# Altium PCB mb1260.PcbDoc (part 5 of 7)
Units mil, origin at the board's own origin, x right, y up, seen from the top; angles counter-clockwise.
Board outline 3189.01 x 3818.89 mil, 6 copper layers (TOP, L2_GND, L3_VCC, L4_SIG, L5_GND, BOTTOM), stack 62.2 mil thick; 308 components, 287 nets, 1220 pads, 851 vias.
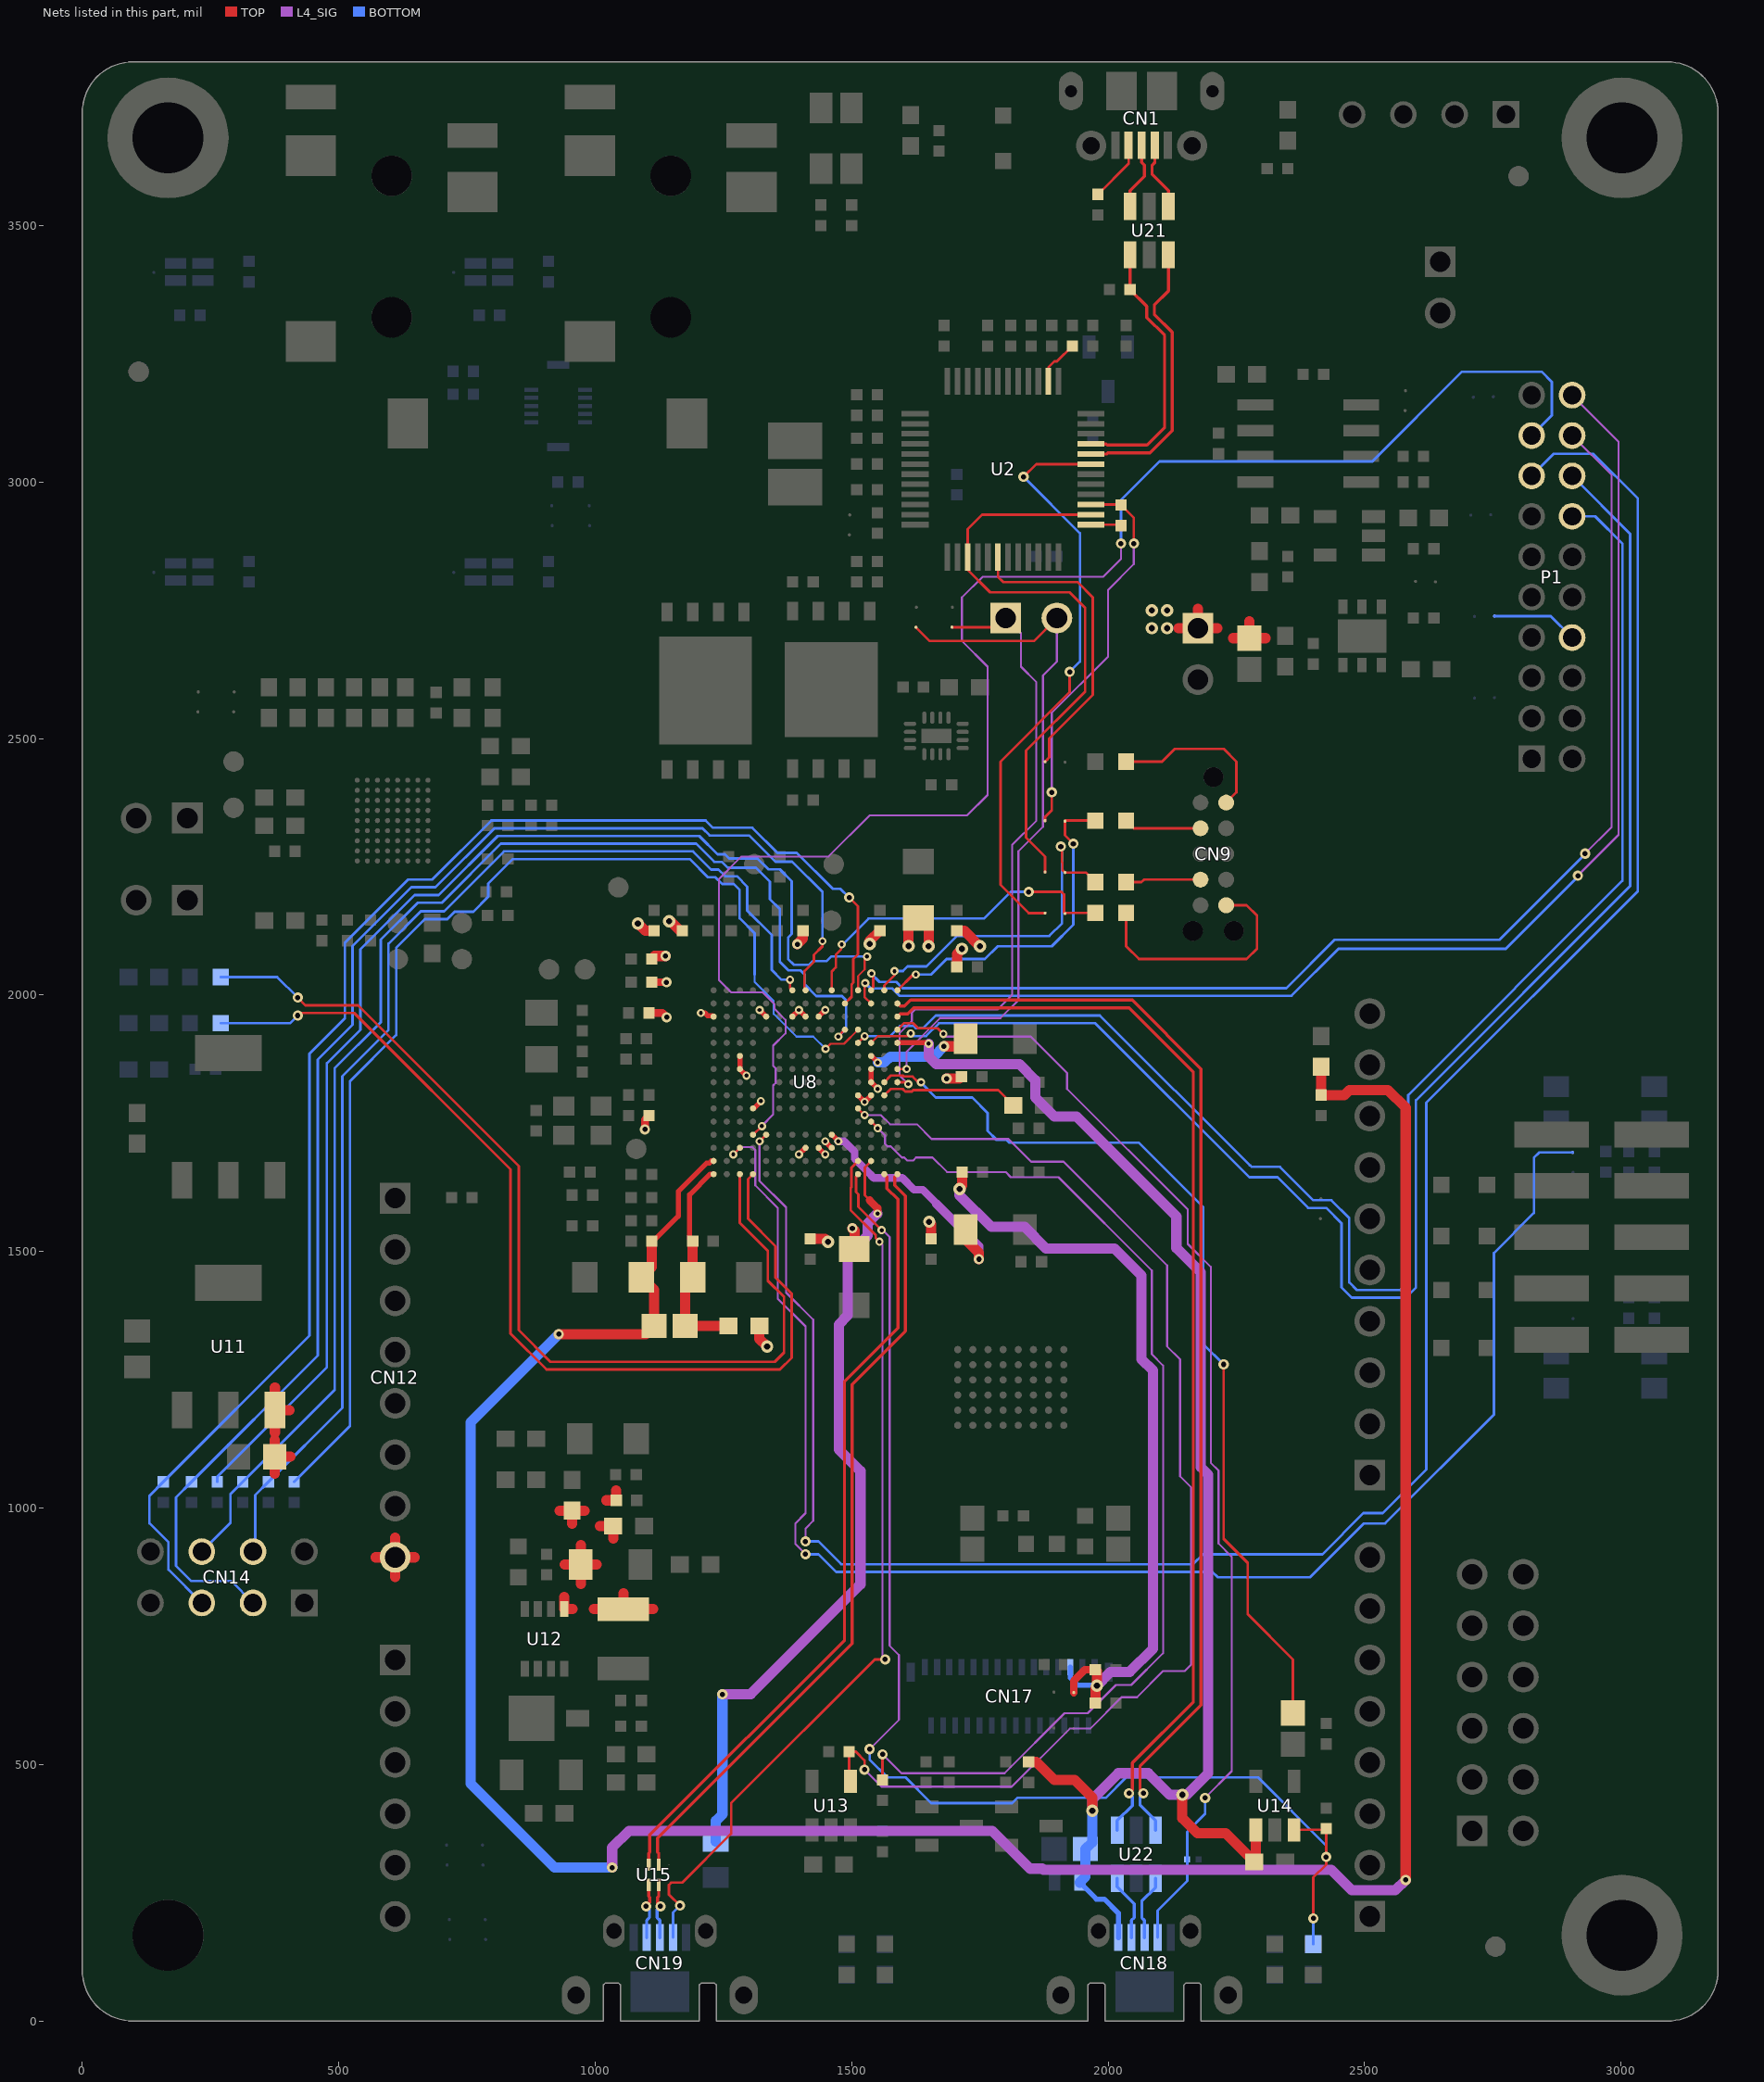
[diagram p9: the nets of this part, all layers, seen from the top]

## Via types
v1: diameter 24, hole 12, TOP to BOTTOM, tented both sides, 389 vias
v2: diameter 20, hole 10, TOP to BOTTOM, tented both sides, 231 vias
v3: diameter 16, hole 8, TOP to BOTTOM, tented both sides, 196 vias
v4: diameter 12, hole 6, TOP to BOTTOM, tented both sides, 35 vias

## Nets (pads, with @x,y where several pads share a name; then routed paths per layer and width w, separated by ;. In a path a pad name is that pad's centre, name@x,y a point inside that pad or via, vN(x,y) a via of type N, cw(c..) or ccw(c..) an arc to the next point about the centre after c; other vN are vias at no path point) (continued)
STMOD+_SPI2_MISOS: P1.9 U8.M4 | length 3145.4
  TOP w5: U8.M4@1307.64,1727.64 1308.14,1727.64 1325,1744.5 v3(1325.1,1744.5)
  L4_SIG w4: v3(1325.1,1744.5) 1325.1,1745.1 1347,1767 1347,1823.71 1352,1828.71 1352,1856.88 1347,1861.88 1347,1901.32 1371,1925.32 1371,1951.69 1349.68,1973.01 1349.68,1981.99 1326.68,2005 1265,2005 1241,2029 1241,2226 1285,2270 1455,2270 1535,2350 1725,2350 1765,2390 1765,2640 1715,2690 1715,2775 1755,2815 1990,2815 2025,2850 v2(2025,2880)
  BOTTOM w5: v2(2025,2880) 2025,2965 2100,3040 2515,3040 2690,3215 2845,3215 2865,3195 2865,3129.92 P1.9@2825.63,3090.55
STMOD+_SPI2_MOSIS: P1.8 U8.M5 | length 4476.8
  TOP w5: v3(1320.37,1714.91) 1320.5,1714.91 U8.M5@1333.23,1727.64
  L4_SIG w4: v3(1320.37,1714.91) 1320.37,1637.61 1372,1585.98 1372,1420 1425,1367 1425,975 1410,960 v2(1410,935)
  BOTTOM w5: v2(1410,935) 1435,935 1479.5,890.5 2165.5,890.5 2185,910 2417.56,910 2497.56,990 2535,990 2620,1075 2620,1790 3032.5,2202.5 3032.5,2967.5 2945,3055 2868.82,3055 P1.8@2825.63,3011.81
STMOD+_TIM2_CH1: P1.19 U8.A13 | length 2418.8
  TOP w5: U8.A13@1537.95,2009.13 1537.95,2010.08 1542.04,2014.17 1542.04,2037.96 1538.09,2041.91 v3(1538.52,2041.91)
  L4_SIG w4: P1.19@2904.37,3090.55 2981.57,3013.35 2981.57,2327.53 v2(2929.65,2275.61)
  BOTTOM w5: v3(1538.52,2041.91) 1537.63,2041.91 1554.06,2025.48 1586.81,2025.48 1598.79,2013.5 2347.51,2013.5 2441.68,2107.67 2762.67,2107.67 2929.65,2274.65 v2(2929.65,2275.61)
STMOD+_TIM3_CH3: P1.14 SB29.1 | length 168.7
  BOTTOM w5: SB29.1@2753.01,2738.67 2862.55,2738.67 P1.14@2904.37,2696.85
STMOD+_UART4_RXD: P1.18 U8.E13 | length 3186.7
  TOP w4: U8.E13@1537.95,1906.77 1550.86,1919.68 1609.68,1919.68 v3(1615,1925)
  BOTTOM w5: v3(1615,1925) 1620,1920 1645,1920 1670,1945 1975,1945 2275,1645 2330,1645 2390,1585 2425,1585 2455,1555 2455,1430 2475,1410 2580,1410 2600,1430 2600,1795 3017.5,2212.5 3017.5,2898.68 P1.18@2904.37,3011.81
STMOD+_UART4_RXD_S: P1.20 U8.B13 | length 2550.4
  TOP w5: v3(1526.47,2023.28) 1525,2021.81 1525,1996.49 U8.B13@1537.95,1983.54
  L4_SIG w4: P1.20@2904.37,3169.29 2995.03,3078.63 2995.03,2312.13 v2(2915.53,2232.63)
  BOTTOM w5: v3(1526.47,2023.28) 1536.92,2012.83 1578.63,2012.83 1592.96,1998.5 2357.5,1998.5 2449,2090 2775,2090 2915.53,2230.53 v2(2915.53,2232.63)
STMOD+_UART4_TXD: P1.17 U8.E12 | length 3132.5
  TOP w5: U8.E12@1512.36,1906.77 v3(1525.22,1919.63)
  BOTTOM w5: v3(1525.22,1919.63) 1574.63,1919.63 1594.5,1939.5 1621.01,1939.5 1625.51,1935 1638.78,1935 1663.78,1960 1983.78,1960 2275.78,1668 2277,1668 2280,1665 2335,1665 2400,1600 2435,1600 2470,1565 2470,1440 2485,1425 2570,1425 2585,1440 2585,1805 3002.5,2222.5 3002.5,2879.94 2949.37,2933.07 P1.17@2904.37,2933.07
SYS_B_USER: SB33.1 U8.N3 | length 3018.9
  TOP w5: v3(1269.19,1689.19) U8.N3@1282.05,1702.05
  L4_SIG w4: v3(1269.19,1689.19) 1283.32,1703.32 1306.5,1703.32 1312,1697.82 1312,1629 1356,1585 1356,1408 1410,1354 1410,990 1390,970 1390,930 v2(1410,910)
  BOTTOM w5: v2(1410,910) 1435,910 1469.5,875.5 2203.04,875.5 2213.54,865 2393.78,865 2498.78,970 2540,970 2752,1182 2752,1497 2830,1575 2830,1683.01 2840,1693.01 SB33.1@2905.33,1693.01
SYS_LD_USER1: R47.1 U8.R3 | length 1987
  TOP w5: v2(420,1995) 435,1980 537.63,1980 851,1666.63 851,1346.63 912.63,1285 1350,1285 1368,1303 1368,1411.56 1336.5,1443.06 1336.5,1501.5 1282.05,1555.95 U8.R3@1282.05,1650.87
  BOTTOM w5: R47.1@270,2035 380,2035 v2(420,1995)
SYS_LD_USER2: R48.1 U8.R4 | length 2003.2
  TOP w5: v2(420,1960) 425,1965 530,1965 835,1660 835,1340 905,1270 1360,1270 1383,1293 1383,1417.78 1351.5,1449.28 1351.5,1510.5 1298,1564 1298,1641.23 U8.R4@1307.64,1650.87
  BOTTOM w5: R48.1@270,1945 405,1945 v2(420,1960)
SYS_STLINK_JTCK: R38.2 SB12.2 U8.A14 | length 682.4
  TOP w5: U8.A14@1563.54,2009.13 1563.54,2018.54 1583.39,2038.39 v3(1583.39,2046.61) ; v2(1907.62,2289.45) 1910,2287.07 1910,2258.91 1910.69,2258.22 1910.69,2243.95 SB12.2@1915.83,2238.81 1956.19,2238.81 R38.2@1975,2220
  BOTTOM w5: v3(1583.39,2046.61) 1600,2046.61 1608.89,2055.5 1645.5,2055.5 1705,2115 1885,2115 1910,2140 1910,2287.07 v2(1907.62,2289.45)
SYS_STLINK_JTDO-SWO: R40.2 SB13.2 U8.A10 | length 673
  TOP w5: U8.A10@1461.18,2009.13 1461.18,2046.18 1469,2054 1469,2078.52 1479,2088.52 1479,2097.06 v3(1480.47,2098.53) ; v2(1845,2201) 1909,2201 1914,2196 1914,2160.64 SB13.2@1915.83,2158.81 1917.02,2160 R40.2@1975,2160
  BOTTOM w5: v3(1480.47,2098.53) 1482.53,2098.53 1533,2149 1758,2149 1810,2201 v2(1845,2201)
SYS_STLINK_JTMS: R32.2 SB11.2 U8.A15 | length 664
  TOP w5: U8.A15@1589.13,2009.13 1620,2040 v3(1625,2040) ; v2(1932,2295) 1915.83,2311.17 SB11.2@1915.83,2338.81 1917.02,2340 R32.2@1975,2340
  BOTTOM w5: v3(1625,2040) 1655,2040 1684.96,2069.96 1759.46,2069.96 1784.5,2095 1890,2095 1932,2137 v2(1932,2295)
T_JTCK: SB12.1 U2.15 U2.26 | length 1168.9
  TOP w5: SB12.1@1876.99,2239.67 1876.99,2270 1840,2306.99 1840,2476.22 1955,2591.22 1955,2755 1925,2785 1770,2785 1726.1,2828.9 U2.15@1726.1,2853.74 1726.1,2908.1 1754.42,2936.42 U2.26@1966.26,2936.42
T_JTMS: R23.1 SB11.1 U2.27 | length 756.5
  TOP w5: SB11.1@1876.99,2339.67 1876.99,2346.99 1890,2360 v2(1890,2395) ; U2.27@1966.26,2956.1 2023.9,2956.1 R23.1@2025,2955 2050,2930 v2(2050,2880)
  L4_SIG w4: v2(1890,2395) 1890,2550 2000,2660 2000,2790 2050,2840 v2(2050,2880)
T_NRST: SB10.1 U2.18 | length 599
  TOP w5: U2.18@1785.16,2853.74 1785.16,2815 1795.16,2805 1940,2805 1970,2775 1970,2585 1885,2500 1885,2463.07 1882.1,2460.17 1882.1,2459.78 SB10.1@1876.99,2454.67
T_SWDIO_IN: R23.2 U2.25 | length 59.5
  TOP w5: U2.25@1966.26,2916.73 2023.27,2916.73 R23.2@2025,2915
T_SWO: SB13.1 U2.31 | length 1156.4
  TOP w5: v2(1835,3010) 1859.84,3034.84 U2.31@1966.26,3034.84 ; SB13.1@1876.99,2159.67 1845,2159.67 1790,2214.67 1790,2455 1925,2590 v2(1925,2630)
  BOTTOM w5: v2(1835,3010) 1945,2900 1945,2650 v2(1925,2630)
TAG_NRST: CN9.10 R28.1 | length 323.8
  TOP w5: R28.1@2035,2455 2105,2455 2129.79,2479.79 2225.21,2479.79 2250,2455 2250,2395 CN9.10@2230,2375
TAG_SWCLK: CN9.4 R38.1 | length 147.1
  TOP w5: R38.1@2035,2220 2065,2220 2070,2225 CN9.4@2180,2225
TAG_SWDIO: CN9.2 R32.1 | length 151.2
  TOP w5: R32.1@2035,2340 2050,2325 CN9.2@2180,2325
TAG_SWO: CN9.6 R40.1 | length 471.9
  TOP w5: R40.1@2035,2160 2035,2095 2060,2070 2270,2070 2290,2090 2290,2155 2270,2175 CN9.6@2230,2175
USB_OTGFS_CN_N: CN18.2 U22.6 | length 130.8
  BOTTOM w6.1: U22.6@2017.6,277.76 2017.6,261.4 2050.57,228.43 2050.57,201.67 2045.28,196.38 CN18.2@2045.28,162.8
USB_OTGFS_CN_P: CN18.3 U22.4 | length 128.3
  BOTTOM w6.1: CN18.3@2070.87,162.8 2070.87,196.37 2065.57,201.67 2065.57,233.57 2092.4,260.4 U22.4@2092.4,277.76
USB_OTGFS_ID: CN18.4 U8.D15 U23.1 | length 2254.3
  TOP w5: U8.D15@1589.13,1932.36 1601.77,1945 1620,1945 1630,1935 1667.79,1935 v3(1678.63,1924.16)
  L4_SIG w4: v3(1678.63,1924.16) 1683.79,1919 1849,1919 1920,1848 1920,1817 2155,1582 2155,1515 2200,1470 2200,1088.29 2215,1073.29 2215,931 2241,905 2241,487 v2(2189,435)
  BOTTOM w5: CN18.4@2096.46,162.8 2096.46,215.44 2153.98,272.96 U23.1@2153.98,315 2153.98,368.98 2189,404 v2(2189,435)
USB_OTGFS_N: U8.C15 U22.1 | length 2180.2
  TOP w6.1: U8.C15@1589.13,1957.95 1594.42,1963.24 1609.46,1963.24 1621.22,1975 2040.78,1975 2166,1849.78 2166,622.22 2047.14,503.36 2047.14,450.36 v2(2040.64,443.86)
  BOTTOM w6.1: U22.1@2017.6,372.24 2017.6,390.6 2047.14,420.14 2047.14,437.36 v2(2040.64,443.86)
USB_OTGFS_OVCR: LD10.2 R79.1 U8.R12 U14.3 | length 2524.1
  TOP w5: U8.R12@1512.36,1650.87 1508.27,1646.78 1508.27,1615.95 1513,1611.22 1513,1587.29 v3(1558.47,1541.82) ; U14.3@2362.4,372.76 2422.76,372.76 R79.1@2425,375 v2(2425,320) 2425,305 2400,280 v2(2400,200)
  L4_SIG w4: v2(1535,530) 1592.11,587.11 1592.11,713.54 1574,731.65 1574,1528.44 1560.62,1541.82 v3(1558.47,1541.82)
  BOTTOM w5: v2(1535,530) 1535,510 1570,475 1605,475 1655,425 1813,425 1823,435 1995,435 2035,475 2292,475 2425,342 v2(2425,320) ; LD10.2@2400,150 v2(2400,200)
USB_OTGFS_P: U8.B15 U22.3 | length 2205.4
  TOP w6.1: U8.B15@1589.13,1983.54 1594.43,1978.24 1603.24,1978.24 1615,1990 2047,1990 2181,1856 2181,616 2062.14,497.14 2062.14,450.36 v2(2068.64,443.86)
  BOTTOM w6.1: v2(2068.64,443.86) 2062.14,437.36 2062.14,420.86 2092.4,390.6 U22.3@2092.4,372.24
USB_OTGFS_PPWR_EN: R72.1 U8.H14 | length 1812.9
  TOP w5: U8.H14@1563.54,1830 1576.54,1843 1599.21,1843 1601.12,1841.09 1618.91,1841.09 1630,1830 v3(1635,1830) ; v2(2225,1280) 2225,940 2272,893 2272,793 2360,705 R72.1@2360,600.51
  BOTTOM w5: v3(1635,1830) 1640,1825 1640,1824.02 1664.02,1800 1735,1800 1765,1770 1765,1735 1782.49,1717.5 1802.25,1717.5 1807.75,1712 2060,1712 2185,1587 2185,1320 v2(2225,1280)
USB_OTGFS_VBUS: C77.1 CN18.1 R77.2 R99.1 U8.E15 U14.1 U24.1 | length 2894.4
  TOP w10: U8.E15@1589.13,1906.77 1648.23,1906.77 v3(1650,1905)
  TOP w20: R77.2@1845,505 1860,505 1895,470 1935,470 1969,436 v1(1969,410) ; v1(2144.5,441) 2144.5,395.5 2174,366 2229,366 C77.1@2285,310 2287.6,312.6 U14.1@2287.6,372.76
  L4_SIG w20: v3(1650,1905) 1650,1880 1665,1865 1827,1865 1858,1834 1858,1800.41 1895.41,1763 1938,1763 2132.99,1568.01 2132.99,1507.01 2180,1460 2180,1080 2195,1065 2195,483 2153,441 v1(2144.5,441) 2120,441 2078,483 2020,483 1969,432 v1(1969,410)
  BOTTOM w10: U24.1@1944.61,270 1977.11,237.5 1992.5,237.5 2019.69,210.31 CN18.1@2019.69,162.8
  BOTTOM w20: U24.1@1944.61,270 1955.51,280.9 R99.1@1955.51,335 1969,348.49 v1(1969,410)
USB_OTGHS_CN_N: CN19.2 U15.2 | length 111.4
  TOP w6.1: v2(1099.18,223.76) 1106.5,231.08 1106.5,240.94 1104.16,243.28 U15.2@1104.16,265.31
  BOTTOM w6.1: v2(1099.18,223.76) 1105.68,217.26 1105.68,201.67 1100.39,196.38 CN19.2@1100.39,162.8
USB_OTGHS_CN_P: CN19.3 U15.3 | length 110.7
  TOP w6.1: U15.3@1123.84,265.31 1123.84,243.28 1121.5,240.94 1121.5,229.44 v2(1127.18,223.76)
  BOTTOM w6.1: CN19.3@1125.98,162.8 1125.98,196.37 1120.68,201.67 1120.68,217.26 v2(1127.18,223.76)
USB_OTGHS_ID: CN19.4 U8.P12 U15.4 | length 1760.9
  TOP w5: v2(1165,225) 1143.53,246.47 U15.4@1143.53,265.31 1148.22,270 1170,270 1265,365 1265,425 1545,705 v2(1565,705) ; U8.P12@1512.36,1676.46 1499.27,1663.37 1499.27,1625 1498,1623.73 1498,1580.4 1546.79,1531.61 1546.79,1526.21 v3(1554,1519)
  L4_SIG w4: v3(1554,1519) 1560,1513 1560,710 v2(1565,705)
  BOTTOM w5: CN19.4@1151.57,162.8 1151.57,211.57 v2(1165,225)
USB_OTGHS_N: U8.R14 U15.7 | length 1558.4
  TOP w6.1: U15.7@1104.16,304.69 1104.16,326.72 1106.5,329.06 1106.5,362.72 1486,742.22 1486,1247.22 1590,1351.22 1590,1601.78 1568.83,1622.95 1568.83,1645.58 U8.R14@1563.54,1650.87
USB_OTGHS_OVCR: R78.2 U8.L13 | length 2145.9
  TOP w5: U8.L13@1537.95,1753.23 v3(1550.81,1740.37) ; R78.2@1560,470 v2(1560,520)
  L4_SIG w4: v3(1550.81,1740.37) 1565,1726.18 1565,1710 1570,1705 1576.33,1705 1598.07,1683.26 1602.44,1683.26 1608.2,1677.5 1619.8,1677.5 1625.56,1683.26 1657.59,1683.26 1685.85,1655 1800,1655 1810,1645 1903.02,1645 2085,1463.02 2085,1300 2107,1278 2107,733.58 ; v2(1560,520) 1597,483 1798,483 1915,600 1960,600 2015,655 2045,655 2107.01,717.01 2107.01,733.57
USB_OTGHS_P: U8.R15 U15.6 | length 1558.4
  TOP w6.1: U15.6@1123.84,304.69 1123.84,326.72 1121.5,329.06 1121.5,356.5 1501,736 1501,1241 1605,1345 1605,1608 1583.83,1629.17 1583.83,1645.57 U8.R15@1589.13,1650.87
USB_OTGHS_PPWR_EN: R16.2 U8.K12 U13.4 | length 2389.8
  TOP w5: U13.4@1497.4,467.24 1495,469.64 R16.2@1495,525 1508,525 1525,508 v2(1525,490) ; U8.K12@1512.36,1778.82 v3(1525.22,1765.96)
  L4_SIG w4: v2(1525,490) 1558,457 1812,457 1925,570 1965,570 2026,631 2056,631 2107,682 2149,682 2162,695 2162,1040 2140,1062 2140,1290 2115,1315 2115,1473 1913,1675 1850,1675 1805.5,1719.5 1655.5,1719.5 1627,1748 1575,1748 1557.04,1765.96 v3(1525.22,1765.96)
USB_OTGHS_VBUS: R98.1 U8.P13 | length 1539.6
  TOP w5: 1535,1600 1525.45,1609.55 1525.45,1663.96 U8.P13@1537.95,1676.46
  TOP w15: 1535,1600 1550.32,1584.68 v3(1550.32,1574)
  L4_SIG w20: v2(1248,637) 1303,637 1517,851 1517,1072 1475,1114 1475,1358 1492.49,1375.49 1492.49,1492.49 1531,1531 1531,1554.68 v3(1550.32,1574)
  BOTTOM w20: R98.1@1235,350 1235,390 1248,403 v2(1248,637)
USB_RENUMN: R7.2 U2.38 | length 90.9
  TOP w5: U2.38@1883.58,3196.26 1883.58,3223.58 1895,3235 1900,3235 R7.2@1930,3265
USB_STLK_CN_N: CN1.2 U21.1 | length 134.6
  TOP w6.1: CN1.2@2090.94,3656.49 2090.94,3622.92 2085.64,3617.62 2085.64,3599.36 2117.4,3567.6 U21.1@2117.4,3537.24
USB_STLK_CN_P: CN1.3 U21.3 | length 133.1
  TOP w6.1: U21.3@2042.6,3537.24 2042.6,3567.6 2070.64,3595.64 2070.64,3617.62 2065.35,3622.91 CN1.3@2065.35,3656.49
USB_STLK_ID: CN1.4 R9.2 | length 120.7
  TOP w5: R9.2@1980,3560.59 2039.76,3620.35 CN1.4@2039.76,3656.49
USB_STLK_N: U2.32 U21.6 | length 546.2
  TOP w6.1: U2.32@1966.26,3054.53 1996.66,3054.53 1999,3056.87 2081.87,3056.87 2125,3100 2125,3292 2090,3327 2090,3345 2117.4,3372.4 U21.6@2117.4,3442.76
USB_STLK_P: R10.2 U2.33 U21.4 | length 523.4
  TOP w6.1: U2.33@1966.26,3074.21 1995.66,3074.21 1998,3071.87 2075.65,3071.87 2110,3106.22 2110,3285.78 2075,3320.78 2075,3342.6 R10.2@2042.6,3375 U21.4@2042.6,3442.76
V12_OTGPHY: C54.1 U8.J14 | length 272
  TOP w5: U8.J14@1563.54,1804.41 1576.04,1816.91 1599.25,1816.91 1604.25,1811.91 1617.42,1811.91 1620,1814.49 1785.51,1814.49 C54.1@1815,1785
VCAP1: C58.2 U8.M10 | length 479.2
  TOP w10: U8.M10@1461.18,1727.64 v3(1473.91,1714.91)
  TOP w20: C58.2@1722,1543 1722,1523.74 1748,1497.74 v2(1748,1485)
  L4_SIG w15: v3(1473.91,1714.91) 1485.09,1714.91 1505.72,1694.28 1505.72,1681.11 1531.24,1655.59 1531.24,1655.46 1543.2,1643.5 1598.5,1643.5 1621.5,1620.5 1638.58,1620.5 1665.47,1593.61 1665.47,1592.53
  L4_SIG w18: 1665.47,1592.53 1748,1510 v2(1748,1485)
VCAP2: C49.2 U8.F13 | length 208.6
  TOP w10: U8.F13@1537.95,1881.18 1538.08,1881.18 v3(1550.81,1868.45)
  TOP w20: v2(1680,1900) 1707,1900 C49.2@1722,1915
  BOTTOM w20: v3(1550.81,1868.45) 1563.45,1868.45 1575,1880 1660,1880 v2(1680,1900)
VCP_RX: CN6.2 SB8.1 U8.G15 | length 1392
  TOP w5: U8.G15@1589.13,1855.59 v3(1607.13,1855.59) ; SB8.1@1625.33,2716.99 1652.32,2690 1855,2690 CN6.2@1900,2735
  L4_SIG w4: v3(1607.13,1855.59) 1607.13,1889.59 1672.54,1955 1790,1955 1825,1990 1825,2280 1873,2328 1873,2623 1900,2650 CN6.2@1900,2735
VCP_TX: CN6.1 SB9.1 U8.H15 | length 1280.2
  TOP w5: U8.H15@1589.13,1830 1606.67,1830 v3(1610.26,1826.41) ; SB9.1@1695.33,2716.99 1781.99,2716.99 CN6.1@1800,2735
  L4_SIG w4: v3(1610.26,1826.41) 1593.13,1843.54 1593.13,1925 1617.46,1949.33 1617.46,1965.53 1623.93,1972 1785,1972 1813,2000 1813,2293 1860,2340 1860,2610 1830,2640 1830,2705 CN6.1@1800,2735
VDD: C34.1 C36.2 C37.2 C38.2 C39.2 C40.2 C44.2 C45.2 C46.2 C47.2 C52.2 C53.2 C56.2 C61.2 C62.2 C66.1 CN17.25 JP1.1 L1.1 R27.1 R68.1 R70.1 SB15.1 U8.C1 U8.C5 U8.C7 U8.C8 U8.C9 U8.F3 U8.G3 U8.G13 U8.H13 U8.J12 U8.J13 U8.K4 U8.N8 U8.N9 U8.N10 | length 2744
  TOP w10: v3(1206,1965) 1213.73,1965 1219.23,1959.5 1229.32,1959.5 U8.C1@1230.87,1957.95 ; U8.F3@1282.05,1881.18 U8.G3@1282.05,1855.59 v3(1294.91,1842.73) ; U8.K4@1307.64,1778.82 1308.69,1778.82 v3(1323,1793.13) ; v3(1320.37,1970.81) U8.C5@1333.23,1957.95 ; U8.C7@1384.41,1957.95 1384.28,1957.95 v3(1397.14,1970.81) U8.C8@1410,1957.95 ; v3(1397.27,1689.19) 1397.27,1689.68 1409.64,1702.05 U8.N8@1410,1702.05 ; U8.N9@1435.59,1702.05 1435.59,1701.96 v3(1448.36,1689.19) ; U8.C9@1435.59,1957.95 v3(1448.45,1970.81) ; v3(1448.38,1714.72) v3(1448.38,1714.72) 1461,1702.05 U8.N10@1461.18,1702.05 ; U8.J12@1512.36,1804.41 v3(1525.22,1791.55) 1537.95,1804.28 U8.J13@1537.95,1804.41 ; U8.G13@1537.95,1855.59 U8.H13@1537.95,1830 v3(1550.81,1817.14)
  TOP w15: v2(1097,1738) 1097,1757 C53.2@1105,1765 ; C47.2@1105,1965 1131,1965 1139.27,1956.73 v2(1139.35,1956.73) ; C46.2@1110,2025 v2(1139,2025) ; SB15.1@1933.01,640.33 1933.01,663.01 1955,685 R68.1@1975,685
  TOP w20: v1(1083.07,2139.35) 1097.42,2125 C36.2@1115,2125 ; C44.2@1110,2070 1116.12,2076.12 v2(1137,2076.12) ; v1(1144,2144) 1146,2144 1165,2125 C37.2@1170,2125 ; L1.1@1320,1355 1320,1330 v1(1335,1315) ; v2(1394,2099) 1405,2110 C38.2@1405,2125 ; C61.2@1419,1525 1448,1525 v1(1454,1519) ; v2(1501.27,1545.3) 1501.27,1544.73 1505.46,1540.54 1505.46,1505.46 C66.1@1505,1505 ; v1(1535,2099.57) 1535,2105 C39.2@1555,2125 ; v1(1610.9,2095.5) 1610.9,2130.9 C34.1@1630,2150 1650,2130 v1(1650,2095) ; v1(1651,1558) 1655,1554 C62.2@1655,1525 ; v2(1685,1837.16) C52.2@1710.16,1837.16 ; C45.2@1705,2055 1705,2080 v1(1715,2090) ; C40.2@1705,2125 1720,2125 v1(1750,2095) ; v1(1710.13,1622) 1710.13,1624.13 1715,1629 C56.2@1715,1655 ; R70.1@1975,620 1975,650.31 v1(1978.19,653.5) 1978.19,681.81 R68.1@1975,685 ; 2136.98,2715 JP1.1@2175,2715 ; 2175,2753.02 JP1.1@2175,2715 ; 2213.02,2715 JP1.1@2175,2715 ; 2243.48,2695.51 R27.1@2275,2695.51 ; 2275,2728.03 R27.1@2275,2695.51 ; 2306.52,2695.51 R27.1@2275,2695.51
  L4_SIG w20: v1(1710.13,1622) 1710.13,1609.87 1772,1548 1837,1548 1879,1506 2012,1506 2065,1453 2065,1290 2087,1268 2087,725.29 2041.71,680 2004.69,680 v1(1978.19,653.5)
  BOTTOM w10: CN17.25@1926.26,690.09 1926.26,668.74 1940,655 1976.69,655 v1(1978.19,653.5)
  other v1: 2085,2715 2115,2715 2085,2750 2115,2750
VDDA: C60.2 C65.1 L1.2 R62.2 U8.R1 | length 410.2
  TOP w10: C60.2@1190,1520 1184,1526 1184,1610.71 1224.16,1650.87 U8.R1@1230.87,1650.87
  TOP w20: C60.2@1190,1520 C65.1@1190,1450 1175.51,1425.51 R62.2@1175.51,1355 L1.2@1260,1355
VIN: C74.2 CN12.8 U11.3 | length 363.7
  TOP w20: 375,1066.98 C74.2@375,1100 ; 375,1133.02 C74.2@375,1100 ; 375.55,1147.46 U11.3@375.55,1190.98 ; 375.55,1234.5 U11.3@375.55,1190.98 ; 403.57,1190.98 U11.3@375.55,1190.98 ; 405.52,1100 C74.2@375,1100 ; 571.82,903.94 CN12.8@609.84,903.94 ; 609.84,865.92 CN12.8@609.84,903.94 ; 609.84,941.96 CN12.8@609.84,903.94 ; 647.86,903.94 CN12.8@609.84,903.94
VL: C70.2 C72.2 C73.2 L4.2 L6.1 U12.1 | length 485.8
  TOP w20: 930.98,995 L4.2@955,995 ; 939.39,826.59 U12.1@939.39,803.07 955.41,803.07 ; 940.98,890 C73.2@972,890 ; 955,969.48 L4.2@955,995 ; 972,851.98 C73.2@972,890 ; 972,928.02 C73.2@972,890 ; 979.02,995 L4.2@955,995 ; 996.98,803 L6.1@1055,803 ; 1003.02,890 C73.2@972,890 ; 1009.48,965 C72.2@1035,965 1035,940.98 ; 1021.98,1015 C70.2@1041,1015 1041,1034.02 ; 1055,834.02 L6.1@1055,803 ; 1113.02,803 L6.1@1055,803
VREF+: C50.2 C59.2 C64.1 R53.2 R62.1 U8.P1 | length 5280.1
  TOP w10: C59.2@1110,1520 1113,1520 1162,1569 1162,1617 1217.5,1672.5 1222.57,1672.5 1226.53,1676.46 U8.P1@1230.87,1676.46
  TOP w20: v2(928.96,1338.96) 1098.45,1338.96 R62.1@1114.49,1355 1114.49,1425.51 C64.1@1090,1450 1110,1470 C59.2@1110,1520 ; C50.2@2415,1860 R53.2@2415,1805 2460,1805 2470,1815 2545,1815 2580,1780 v2(2580,275)
  L4_SIG w20: v2(1033,299) 1033,338 1066,371 1774,371 1848.4,296.59 1848.81,297 1871.19,297 1873.19,295 2435,295 2475,255 2560,255 v2(2580,275)
  BOTTOM w20: v2(928.96,1338.96) 757.5,1167.5 757.5,462.5 921,299 v2(1033,299)
WIFI_CH_PD: CN14.6 R95.2 U8.D11 | length 2635.9
  TOP w5: v3(1473.87,1919) 1473.87,1920 1486.23,1932.36 U8.D11@1486.77,1932.36
  BOTTOM w5: CN14.6@232.99,915 289,971.01 289,1027 R95.2@313,1051 491.92,1229.92 491.92,1856.92 582,1947 582,2108.12 653.88,2180 676.22,2180 ; 676.23,2179.99 701.09,2179.99 816.1,2295 1196.66,2295 1232.16,2259.5 1246.74,2259.5 1258.24,2248 1313.56,2248 1340.5,2221.06 1340.5,2186.92 1360,2167.42 1360,2064.85 1376.83,2048.02 1399.98,2048.02 1408,2040 1408,2021 1431,1998 1481,1998 1489,1990 1489,1935 1473.87,1919.87 v3(1473.87,1919)
WIFI_GPIO_0: CN14.3 R93.2 U8.A8 | length 2800.5
  TOP w5: U8.A8@1410,2009.13 1408,2011.13 1408,2047 1426.1,2065.1 1426.1,2078.06 1443,2094.96 v3(1443,2105)
  BOTTOM w5: CN14.3@332.99,815 289.99,858 212,858 183,887 183,1021 R93.2@213,1051 459,1297 459,1874 527,1942 527,2095.56 641.44,2210 688.66,2210 803.66,2325 1209.1,2325 1223.1,2311 1300.2,2311 1351.2,2260 1384,2260 1443,2201 v3(1443,2105)
WIFI_GPIO_2: CN14.5 R96.2 U8.B11 | length 2854.6
  TOP w5: U8.B11@1486.77,1983.54 1499.86,1996.63 1499.86,2020.72 1503.13,2023.99 1503.13,2070.21 1512,2079.08 1512,2173 v2(1495,2190)
  BOTTOM w5: CN14.5@232.99,815 168,879.99 168,933 131,970 131,1024 R96.2@158,1051 443,1336 443,1885.44 512,1954.44 512,2101.78 635.22,2225 682.44,2225 797.44,2340 1215.32,2340 1229.32,2326 1306.42,2326 1355.42,2277 1393,2277 1463,2207 1478,2207 v2(1495,2190)
WIFI_RST: CN14.4 R94.2 U8.A7 | length 2345.2
  TOP w5: v3(1379.7,2029.86) 1379.7,2013.84 U8.A7@1384.41,2009.13
  BOTTOM w5: CN14.4@332.99,915 337,919.01 337,1025 R94.2@363,1051 506.92,1194.92 506.92,1841.92 597,1932 597,2100 660,2163 705.32,2163 822.32,2280 1190.44,2280 1225.94,2244.5 1240.52,2244.5 1253.52,2231.5 1276.3,2231.5 1296.5,2211.3 1296.5,2164.5 1344,2117 1344,2049 1363.14,2029.86 v3(1379.7,2029.86)
WIFI_RX: R92.1 U8.A12 | length 2516
  TOP w4: U8.A12@1512.36,2009.13 1512.36,2037 1525.18,2049.82
  TOP w5: 1525.18,2049.82 1525.18,2070.18 v3(1530,2075)
  BOTTOM w5: R92.1@263,1051 263,1061 476.92,1274.92 476.92,1866.92 542,1932 542,2089.34 647.66,2195 694.88,2195 809.88,2310 1202.88,2310 1238.38,2274.5 1252.96,2274.5 1261.14,2266.32 1316.46,2266.32 1337.78,2245 1360,2245 1383,2222 1383,2119 1376,2112 1376,2070.07 1387.07,2059 1417,2059 1424,2066 1451,2066 1460,2075 v3(1530,2075)
WIFI_TX: R97.2 U8.D12 | length 2382.1
  TOP w4: v3(1449,1895) 1459,1905 1485,1905 U8.D12@1512.36,1932.36
  BOTTOM w4: 1310.76,2040 1310.76,2025.24 1348,1988 1348,1963.24 1392.24,1919 1425.2,1919 1449,1895.2 v3(1449,1895)
  BOTTOM w5: R97.2@413,1051 521.92,1159.92 521.92,1831.92 612,1922 612,2092 668,2148 711.54,2148 726.04,2162.5 762.25,2162.5 791.37,2191.62 791.37,2217.37 839,2265 1184.22,2265 1219.72,2229.5 1234.3,2229.5 1247.3,2216.5 1270.08,2216.5 1281.5,2205.08 1281.5,2149.5 1310.76,2120.24 1310.76,2040
pads on no net: "CN4. " "CN5. " "CN9. " "CN17. " CN4.2 CN4.5 CN4.7 CN5.2 CN5.5 CN5.7 CN9.7 CN9.8 CN9.9 CN16.11 CN16.12 U2.4 U2.11 U2.14 U2.16 U2.17 U2.19 U2.21 U2.22 U2.29 U2.40 U2.41 U2.42 U2.43 U2.45 U2.46 U4.3 U4.5 U5.9 U6.9 U7.A6 U7.A8 U7.B4 U7.B5 U7.B8 U7.C4 U7.C5 U7.C7 U7.C8 U7.E1 U7.E5 U7.F4 U7.F5 U7.F6 U7.F8 U7.F9 U7.G4 U7.H2 U7.H3 U7.H4 U7.H5 U10.E3 U10.G2 U10.H6 U12.5 U20.17 U22.5
copper on no net: | length 1438.7
  TOP w8: 2276,1048 2336,1048 2336,1108 2276,1108 2276,1048.46 ; 2357,1048 2417,1048 2417,1108 2357,1108 2357,1048.17
  L4_SIG w8: 2275.99,1265.35 2335.99,1265.35 2335.99,1325.35 2275.99,1325.35 2275.99,1265.81 ; 2356.99,1265.35 2416.99,1265.35 2416.99,1325.35 2356.99,1325.35 2356.99,1265.52
  BOTTOM w8: 2276,1398 2276,1408 2276,1458 2336,1458 2336,1398 2276,1398 ; 2357,1398 2357,1408 2357,1458 2417,1458 2417,1398 2357,1398

## Polygon pours and split planes (outlines as drawn)
no net on TITLE_DATA (solid, pour order 155): 23 vertices, not listed, extent -300,-100 -200,0
no net on TITLE_DATA (solid, pour order 153): 23 vertices, not listed, extent -400,0 -300,100
no net on TITLE_DATA (solid, pour order 157): 170,3215 ccw(c110,3215) 110,3275 ccw(c110,3215) 50,3215 ccw(c110,3215) 110,3155 ccw(c110,3215) 170,3215
no net on TITLE_DATA (solid, pour order 161): 170,3215 ccw(c110,3215) 110,3275 ccw(c110,3215) 50,3215 ccw(c110,3215) 110,3155 ccw(c110,3215) 170,3215
no net on TITLE_DATA (solid, pour order 156): 2860,3596 ccw(c2800,3596) 2800,3656 ccw(c2800,3596) 2740,3596 ccw(c2800,3596) 2800,3536 ccw(c2800,3596) 2860,3596
no net on TITLE_DATA (solid, pour order 158): 2860,3596 ccw(c2800,3596) 2800,3656 ccw(c2800,3596) 2740,3596 ccw(c2800,3596) 2800,3536 ccw(c2800,3596) 2860,3596
no net on TITLE_DATA (solid, pour order 159): 2815,145 ccw(c2755,145) 2755,205 ccw(c2755,145) 2695,145 ccw(c2755,145) 2755,85 ccw(c2755,145) 2815,145
no net on TITLE_DATA (solid, pour order 160): 2815,145 ccw(c2755,145) 2755,205 ccw(c2755,145) 2695,145 ccw(c2755,145) 2755,85 ccw(c2755,145) 2815,145
no net on TITLE_DATA (solid, pour order 162): 31 vertices, not listed, extent 668.29,710 2078.29,3258.56
no net on TITLE_DATA (solid, pour order 152): 23 vertices, not listed, extent -300,-100 -200,0
no net on TITLE_DATA (solid, pour order 154): 23 vertices, not listed, extent -400,0 -300,100
E5V on TOP "E5V_L01_P116" (solid, pour order 116): 2798,1556 2934,1556 2938,1552 2938,1504 2936,1502 2770,1502 2764,1496 2709,1496 2704,1501 2704,1586 2709,1591 2764,1591 2774,1581 2774,1580 2798,1556
E5V on TOP "E5V_L01_P126" (solid, pour order 126): 77 vertices, not listed, extent 40,1265 365,1500
GND on TOP "GND_L01_P107" (solid, pour order 107): 41 vertices, not listed, extent 905,2317.52 957.48,2442.06
GND on TOP "GND_L01_P111" (solid, pour order 111): 305 vertices, not listed, extent 1433.04,2128.48 1575.88,2371.63
GND on TOP "GND_L01_P105" (solid, pour order 105): 70 vertices, not listed, extent 1394.02,2182.02 1418.05,2362.98
GND on TOP "GND_L01_P106" (solid, pour order 106): 39 vertices, not listed, extent 2633.12,2657.02 2668.98,2785.32
GND on TOP "GND_L01_P117" (solid, pour order 117): 56 vertices, not listed, extent 2603,2858.13 2720.98,3069.62
GND on TOP "GND_L01_P108" (solid, pour order 108): 2367.02,2685.02 2367.02,2723.52 2335.02,2723.52 2335.02,2740.01 2345,2750 2415,2750 2425,2740 2425,2685.02 2417.02,2685.02 2417.02,2702.02 2382.98,2702.02 2382.98,2685.02 2367.02,2685.02
GND on TOP "GND_L01_P109" (solid, pour order 109): 47 vertices, not listed, extent 2235,2765 2385,2822.98
VIN on TOP "VIN_L01_P127" (solid, pour order 127): 53 vertices, not listed, extent 350,835 710,1240
5V_USB_ST_LINK on TOP "5V_USB_ST_LINK_L01_P124" (solid, pour order 124): 17 vertices, not listed, extent 2691,1235 2936,1353
5V_USB_ST_LINK on TOP "5V_USB_ST_LINK_L01_P125" (solid, pour order 125): 89 vertices, not listed, extent 2190,3090 2625,3285
5V_USB_HS on TOP "5V_USB_HS_L01_P114" (solid, pour order 114): 20 vertices, not listed, extent 2703,1603 2939,1673
5V_ST_LINK on TOP "5V_ST_LINK_L01_P110" (solid, pour order 110): 57 vertices, not listed, extent 2540,3025 2635,3145
3V3_ST_LINK on TOP "3V3_ST_LINK_L01_P113" (solid, pour order 113): 20 vertices, not listed, extent 2235,2825 2460,2900
VDD on TOP "VDD_L01_P115" (solid, pour order 115): 19 vertices, not listed, extent 2055,2680 2315,2775
1V8 on TOP "1V8_L01_P128" (solid, pour order 128): 22 vertices, not listed, extent 60,1705 370,1980
5V on TOP "5V_L01_P129" (solid, pour order 129): 530 vertices, not listed, extent 2781.98,1270.99 3167.07,2899.89
5V on TOP "5V_L01_P112" (solid, pour order 112): 57 vertices, not listed, extent 2525,2600 2615,2790
3V3 on TOP "3V3_L01_P119" (solid, pour order 119): 340,1690 360,1710 450,1710 460,1700 460,1575 445,1560 355,1560 340,1575 340,1690
3V3 on TOP "3V3_L01_P120" (solid, pour order 120): 156 vertices, not listed, extent 2115,2545 2465,2665
5V_USB_FS on TOP "5V_USB_FS_L01_P118" (solid, pour order 118): 2701.99,1370.02 2697,1375 2697,1451 2704,1458 2931,1458 2938,1451 2938,1398 2937,1397 2769,1397 2742.01,1370.02 2701.99,1370.02
NETC75_2 on TOP "NETC75_2_L01_P121" (solid, pour order 121): 20 vertices, not listed, extent 790,360 910,660
GND on TOP "GND_L01_P123" (solid, pour order 123): 117 vertices, not listed, extent 825,1825 1181.13,2015
VL on TOP "VL_L01_P122" (solid, pour order 122): 99 vertices, not listed, extent 915,775 1140,1045
GND on TOP "GND_L01_P130" (solid, remove dead copper, pour order 130): 2467 vertices, not listed, extent 20.04,20.04 3168.97,3798.85
GND on L4_SIG "GND_L04_P145" (solid, pour order 145): 3786 vertices, not listed, extent 20.04,20.04 3168.97,3798.85
E5V on L4_SIG "E5V_L04_P131" (solid, pour order 131): 2670,1590 2675,1595 2760,1595 2765,1590 2765,1550 2760,1545 2680,1545 2670,1555 2670,1590
E5V on L4_SIG "E5V_L04_P134" (solid, pour order 134): 40,1431 50,1441 89,1441 95,1435 95,1341 90,1336 50,1336 40,1346 40,1431
GND on L4_SIG "GND_L04_P139" (solid, pour order 139): 252 vertices, not listed, extent 900,2765 2266,3388.98
GND on L4_SIG "GND_L04_P144" (solid, remove dead copper, pour order 144): 70 vertices, not listed, extent 20.04,555.02 551.33,1332
GND on L4_SIG "GND_L04_P143" (solid, pour order 143): 252 vertices, not listed, extent 2660,738 2986,1983
GND on L4_SIG "GND_L04_P141" (solid, pour order 141): 2092,2315 2133,2356 2376,2356 2402,2330 2402,1714 2366,1678 2168,1678 2092,1754 2092,2315
GND on L4_SIG "GND_L04_P142" (solid, pour order 142): 95 vertices, not listed, extent 1044,2574 1522,3154
GND on L4_SIG "GND_L04_P137" (solid, pour order 137): 20 vertices, not listed, extent 828,1827 1159.98,2014
5V_USB_HS on L4_SIG "5V_USB_HS_L04_P133" (solid, pour order 133): 31 vertices, not listed, extent 1027,230.5 1122,298
5V_USB_HS on L4_SIG "5V_USB_HS_L04_P136" (solid, pour order 136): 2725,1617 2714,1628 2714,1659 2727.99,1672.98 2829.01,1672.98 2855,1647 2855,1627 2845,1617 2725,1617
1V8 on L4_SIG "1V8_L04_P140" (solid, pour order 140): 460 vertices, not listed, extent 60,1625 705,2535
5V on L4_SIG "5V_L04_P138" (solid, pour order 138): 2620,2565 2559,2626 2559,2758 2576,2775 2685,2775 2810,2900 2930,2900 2960,2870 2960,2755 2940,2735 2800,2735 2775,2710 2775,2620 2720,2565 2620,2565
5V_USB_FS on L4_SIG "5V_USB_FS_L04_P135" (solid, pour order 135): 1863,428 1932,428 1941,419 1941,356 1930,345 1870,345 1855,360 1855,420 1863,428
5V_USB_FS on L4_SIG "5V_USB_FS_L04_P132" (solid, pour order 132): 2690.69,1328.79 2686,1333.48 2686,1393 2690.99,1397.98 2750.01,1397.98 2756,1392 2756,1333.48 2751.31,1328.79 2690.69,1328.79
GND on BOTTOM "GND_L06_P150" (solid, pour order 150): 98 vertices, not listed, extent 157.36,2452.36 485.48,2848.64
5V_USB_ST_LINK on BOTTOM "5V_USB_ST_LINK_L06_P148" (solid, pour order 148): 2538,3232 2548,3242 2618,3242 2625,3235 2625,3181 2615,3171 2553,3171 2538,3186 2538,3232
5V_USB_ST_LINK on BOTTOM "5V_USB_ST_LINK_L06_P149" (solid, pour order 149): 2660,1235 2650,1245 2650,1330 2655,1335 2715,1335 2720,1330 2720,1240 2715,1235 2660,1235
5V_USB_HS on BOTTOM "5V_USB_HS_L06_P146" (solid, pour order 146): 23 vertices, not listed, extent 1028,236 1119,289.5
5V_USB_FS on BOTTOM "5V_USB_FS_L06_P147" (solid, pour order 147): 1850,310 1845,315 1845,410 1857,422 1926,422 1934,414 1934,395 1924.5,385.5 1924.5,364.52 1863.98,364.52 1863.98,310 1850,310
GND on BOTTOM "GND_L06_P151" (solid, remove dead copper, pour order 151): 143 vertices, not listed, extent 0,0 3189.01,3818.89
GND on L2_GND (split plane): 270 vertices, not listed, extent 20.04,20.04 3168.98,3798.85
BLGND on L2_GND (split plane): 44 vertices, not listed, extent 790.09,360.09 1184.91,1169.91
no net on L3_VCC (split plane): 30 vertices, not listed, extent 1142.51,617.51 1152.71,627.72
5V on L3_VCC (split plane): 452 vertices, not listed, extent 500.09,429.69 3168.92,2899.91
3V3 on L3_VCC (split plane): 1412 vertices, not listed, extent 20.04,20.04 3168.98,3798.85
no net on L3_VCC (split plane): 1411.68,904.77 1411.22,904.64 1410.75,904.55 1410.27,904.51 1409.79,904.51 1409.32,904.55 1408.84,904.63 1408.38,904.75 1407.93,904.91 1407.92,904.91 1412.08,904.91
no net on L3_VCC (split plane): 26 vertices, not listed, extent 1493.88,2184.5 1500.5,2191.12
VDD on L3_VCC (split plane): 471 vertices, not listed, extent 1070.09,1295.09 2259.91,2819.91
3V3_ST_LINK on L3_VCC (split plane): 47 vertices, not listed, extent 1290.09,2840.09 3168.98,3798.85
no net on L3_VCC (split plane): 45 vertices, not listed, extent 1519.5,484.5 1530.5,491.46
no net on L3_VCC (split plane): 30 vertices, not listed, extent 2484.34,478.44 2512.06,505.64
no net on L3_VCC (split plane): 53 vertices, not listed, extent 2493.91,488.49 2535.31,529.42
no net on L3_VCC (split plane): 1570.24,706.69 1570.37,706.23 1570.45,705.76 1570.5,705.28 1570.5,704.8 1570.46,704.32 1570.38,703.85 1570.26,703.38 1570.1,702.93 1570.09,702.9 1570.09,707.1
no net on L3_VCC (split plane): 1535.23,2783.68 1535.36,2783.22 1535.45,2782.75 1535.49,2782.27 1535.49,2781.79 1535.45,2781.32 1535.37,2780.84 1535.25,2780.38 1535.09,2779.93 1535.09,2779.92 1535.09,2784.08
no net on L3_VCC (split plane): 35 vertices, not listed, extent 1744.8,1479.5 1753.5,1488.2
no net on L3_VCC (split plane): 24 vertices, not listed, extent 1788.86,1829.5 1797.51,1838.16
GND on L5_GND (split plane): 270 vertices, not listed, extent 20.04,20.04 3168.98,3798.85

## Keep-outs
Keep-Out Layer:
  pour cut-out: 2262.34,1532.61 2262.34,973.39 2426.92,973.39 2426.92,1532.61
  lines w1: 0,98.82 ccw(c98.82,98.82) 98.82,0 1015.74,0 1015.74,70.28 1019.68,74.22 1045.27,74.22 1049.21,70.28 1049.21,0 1202.75,0 1202.75,70.28 1206.69,74.22 1232.28,74.22 1236.22,70.28 1236.22,0 1960.63,0 1960.63,70.28 1964.57,74.22 1990.16,74.22 1994.1,70.28 1994.1,0 2147.64,0 2147.64,70.28 2151.58,74.22 2177.17,74.22 2181.11,70.28 2181.11,0 3090.19,0 ccw(c3090.19,98.82) 3189.01,98.82 3189.01,3720.07 ccw(c3090.19,3720.07) 3090.19,3818.89 98.82,3818.89 ccw(c98.82,3720.07) 0,3720.07 0,98.82
Drill Drawing:
  the board outline again, w1
Multi-Layer:
  lines w1: 251.99,167.33 ccw(c167.34,167.33) 251.99,167.33 ; 251.99,167.33 ccw(c167.34,167.33) 251.99,167.33 ; 305.34,167.33 ccw(c167.34,167.33) 305.34,167.33

## Other copper
TOP:
  drawing of 1996 lines, arcs and shapes, not listed
  text "D" at 2407,1092 h35 r90
  text "1" at 2324,1064 h35 r90
  text "1" at 2443.2,-1906.3 h75
  text "1" at 2443.2,-1906.3 h75
  text "PRIMARY SIDE" at 1943.2,-2056.3 h60
  text "PRIMARY SIDE" at 1943.2,-2056.3 h60
L4_SIG:
  drawing of 205 lines, arcs and shapes, not listed
  text "4" at 2323.36,1304.76 h35 r90
  text "D" at 2405,1283.79 h35 r90
BOTTOM:
  drawing of 973 lines, arcs and shapes, not listed
  text "6" at 2323,1438 h35 r90
  text "D" at 2404,1438 h35 r90
  text "6" at 2393.2,-1906.3 h75
  text "6" at 2393.2,-1906.3 h75
  text "SECONDARY SIDE" at 1943.2,-2056.3 h60
  text "SECONDARY SIDE" at 1943.2,-2056.3 h60

## Text inside footprints (layer, text, board x,y; h text height)
R21: LIB_UNEVALUATED "1" at 722.84,3177.16 h16 r180; LIB_UNEVALUATED "2" at 762.84,3177.16 h16 r180; LIB_UNEVALUATED "Creat : Sofer Tech" at 636.84,2998.76 h25 r180; LIB_UNEVALUATED "Sofer Lib Information" at 606.84,2908.76 h25 r180; LIB_UNEVALUATED "Ref PN: ***" at 636.84,2958.76 h25 r180; LIB_UNEVALUATED "Date  : 2007-11-24" at 636.84,3038.76 h25 r180; LIB_UNEVALUATED "Rev   : A4" at 636.84,3078.76 h25 r180; LIB_UNEVALUATED "Remark: ***" at 636.84,3118.76 h25 r180; LIB_UNEVALUATED "R0402" at 742.84,3275.76 h25 r180; LIB_UNEVALUATED "Approved" at 777.84,3292.76 h35 r180; ASSEMBLY_TOP "47K_1%_0402" at 742.84,3268.76 h20 r180
R22: LIB_UNEVALUATED "1" at 2575,2993.6 h16; LIB_UNEVALUATED "2" at 2615,2993.6 h16; LIB_UNEVALUATED "Creat : Sofer Tech" at 2489,3172 h25; LIB_UNEVALUATED "Sofer Lib Information" at 2459,3262 h25; LIB_UNEVALUATED "Ref PN: ***" at 2489,3212 h25; LIB_UNEVALUATED "Date  : 2007-11-24" at 2489,3132 h25; LIB_UNEVALUATED "Rev   : A4" at 2489,3092 h25; LIB_UNEVALUATED "Remark: ***" at 2489,3052 h25; LIB_UNEVALUATED "R0402" at 2595,2895 h25; LIB_UNEVALUATED "Approved" at 2630,2878 h35; ASSEMBLY_TOP "47K_1%_0402" at 2595,2902 h20
R23: LIB_UNEVALUATED "1" at 2018.6,2955 h16 r270; LIB_UNEVALUATED "2" at 2018.6,2915 h16 r270; LIB_UNEVALUATED "Creat : Sofer Tech" at 2197,3041 h25 r270; LIB_UNEVALUATED "Sofer Lib Information" at 2287,3071 h25 r270; LIB_UNEVALUATED "Ref PN: ***" at 2237,3041 h25 r270; LIB_UNEVALUATED "Date  : 2007-11-24" at 2157,3041 h25 r270; LIB_UNEVALUATED "Rev   : A4" at 2117,3041 h25 r270; LIB_UNEVALUATED "Remark: ***" at 2077,3041 h25 r270; LIB_UNEVALUATED "R0402" at 1920,2935 h25 r270; LIB_UNEVALUATED "Approved" at 1903,2900 h35 r270; ASSEMBLY_TOP "47K_1%_0402" at 1927,2935 h20 r270
R24: LIB_UNEVALUATED "1" at 1543.6,2940 h16 r270; LIB_UNEVALUATED "2" at 1543.6,2900 h16 r270; LIB_UNEVALUATED "Creat : Sofer Tech" at 1722,3026 h25 r270; LIB_UNEVALUATED "Sofer Lib Information" at 1812,3056 h25 r270; LIB_UNEVALUATED "Ref PN: ***" at 1762,3026 h25 r270; LIB_UNEVALUATED "Date  : 2007-11-24" at 1682,3026 h25 r270; LIB_UNEVALUATED "Rev   : A4" at 1642,3026 h25 r270; LIB_UNEVALUATED "Remark: ***" at 1602,3026 h25 r270; LIB_UNEVALUATED "R0402" at 1445,2920 h25 r270; LIB_UNEVALUATED "Approved" at 1428,2885 h35 r270; ASSEMBLY_TOP "47K_1%_0402" at 1452,2920 h20 r270
R25: LIB_UNEVALUATED "1" at 1510,2838.6 h16; LIB_UNEVALUATED "2" at 1550,2838.6 h16; LIB_UNEVALUATED "Creat : Sofer Tech" at 1424,3017 h25; LIB_UNEVALUATED "Sofer Lib Information" at 1394,3107 h25; LIB_UNEVALUATED "Ref PN: ***" at 1424,3057 h25; LIB_UNEVALUATED "Date  : 2007-11-24" at 1424,2977 h25; LIB_UNEVALUATED "Rev   : A4" at 1424,2937 h25; LIB_UNEVALUATED "Remark: ***" at 1424,2897 h25; LIB_UNEVALUATED "R0402" at 1530,2740 h25; LIB_UNEVALUATED "Approved" at 1565,2723 h35; ASSEMBLY_TOP "47K_1%_0402" at 1530,2747 h20
R26: LIB_UNEVALUATED "1" at 1510,2798.6 h16; LIB_UNEVALUATED "2" at 1550,2798.6 h16; LIB_UNEVALUATED "Creat : Sofer Tech" at 1424,2977 h25; LIB_UNEVALUATED "Sofer Lib Information" at 1394,3067 h25; LIB_UNEVALUATED "Ref PN: ***" at 1424,3017 h25; LIB_UNEVALUATED "Date  : 2007-11-24" at 1424,2937 h25; LIB_UNEVALUATED "Rev   : A4" at 1424,2897 h25; LIB_UNEVALUATED "Remark: ***" at 1424,2857 h25; LIB_UNEVALUATED "R0402" at 1530,2700 h25; LIB_UNEVALUATED "Approved" at 1565,2683 h35; ASSEMBLY_TOP "47K_1%_0402" at 1530,2707 h20
R27: LIB_UNEVALUATED "2" at 2265,2634.49 h25 r270; LIB_UNEVALUATED "1" at 2265,2695.51 h25 r270
R28: LIB_UNEVALUATED "1" at 2025.6,2468.33 h16 r180; LIB_UNEVALUATED "2" at 1971.6,2468.33 h16 r180; LIB_UNEVALUATED "R0603" at 1945,2520 h30 r180; LIB_UNEVALUATED "Approved" at 1893,2455 h35 r180; LIB_UNEVALUATED "Sofer Lib Information" at 2162,2183 h25 r180; LIB_UNEVALUATED "Ref PN: ***" at 2132,2233 h25 r180; LIB_UNEVALUATED "Creat : Sofer Tech" at 2132,2273 h25 r180; LIB_UNEVALUATED "Date  : 2007-05-10" at 2132,2313 h25 r180; LIB_UNEVALUATED "Rev   : B1" at 2132,2353 h25 r180; LIB_UNEVALUATED "Remark: ***" at 2132,2393 h25 r180
R29: LIB_UNEVALUATED "1" at 1695,2416.4 h16 r180; LIB_UNEVALUATED "2" at 1655,2416.4 h16 r180; LIB_UNEVALUATED "Creat : Sofer Tech" at 1781,2238 h25 r180; LIB_UNEVALUATED "Sofer Lib Information" at 1811,2148 h25 r180; LIB_UNEVALUATED "Ref PN: ***" at 1781,2198 h25 r180; LIB_UNEVALUATED "Date  : 2007-11-24" at 1781,2278 h25 r180; LIB_UNEVALUATED "Rev   : A4" at 1781,2318 h25 r180; LIB_UNEVALUATED "Remark: ***" at 1781,2358 h25 r180; LIB_UNEVALUATED "R0402" at 1675,2515 h25 r180; LIB_UNEVALUATED "Approved" at 1640,2532 h35 r180; ASSEMBLY_TOP "47K_1%_0402" at 1675,2508 h20 r180
R30: LIB_UNEVALUATED "1" at 1385,2373.6 h16; LIB_UNEVALUATED "2" at 1425,2373.6 h16; LIB_UNEVALUATED "Creat : Sofer Tech" at 1299,2552 h25; LIB_UNEVALUATED "Sofer Lib Information" at 1269,2642 h25; LIB_UNEVALUATED "Ref PN: ***" at 1299,2592 h25; LIB_UNEVALUATED "Date  : 2007-11-24" at 1299,2512 h25; LIB_UNEVALUATED "Rev   : A4" at 1299,2472 h25; LIB_UNEVALUATED "Remark: ***" at 1299,2432 h25; LIB_UNEVALUATED "R0402" at 1405,2275 h25; LIB_UNEVALUATED "Approved" at 1440,2258 h35; ASSEMBLY_TOP "47K_1%_0402" at 1405,2282 h20
R31: LIB_UNEVALUATED "1" at 875,2363.6 h16; LIB_UNEVALUATED "2" at 915,2363.6 h16; LIB_UNEVALUATED "Creat : Sofer Tech" at 789,2542 h25; LIB_UNEVALUATED "Sofer Lib Information" at 759,2632 h25; LIB_UNEVALUATED "Ref PN: ***" at 789,2582 h25; LIB_UNEVALUATED "Date  : 2007-11-24" at 789,2502 h25; LIB_UNEVALUATED "Rev   : A4" at 789,2462 h25; LIB_UNEVALUATED "Remark: ***" at 789,2422 h25; LIB_UNEVALUATED "R0402" at 895,2265 h25; LIB_UNEVALUATED "Approved" at 930,2248 h35; ASSEMBLY_TOP "47K_1%_0402" at 895,2272 h20
R32: LIB_UNEVALUATED "Remark: ***" at 2132,2278 h25 r180; LIB_UNEVALUATED "Rev   : B1" at 2132,2238 h25 r180; LIB_UNEVALUATED "Date  : 2007-05-10" at 2132,2198 h25 r180; LIB_UNEVALUATED "Creat : Sofer Tech" at 2132,2158 h25 r180; LIB_UNEVALUATED "Ref PN: ***" at 2132,2118 h25 r180; LIB_UNEVALUATED "Sofer Lib Information" at 2162,2068 h25 r180; LIB_UNEVALUATED "Approved" at 1893,2340 h35 r180; LIB_UNEVALUATED "R0603" at 1945,2405 h30 r180; LIB_UNEVALUATED "2" at 1971.6,2353.33 h16 r180; LIB_UNEVALUATED "1" at 2025.6,2353.33 h16 r180
R33: LIB_UNEVALUATED "1" at 875,2323.6 h16; LIB_UNEVALUATED "2" at 915,2323.6 h16; LIB_UNEVALUATED "Creat : Sofer Tech" at 789,2502 h25; LIB_UNEVALUATED "Sofer Lib Information" at 759,2592 h25; LIB_UNEVALUATED "Ref PN: ***" at 789,2542 h25; LIB_UNEVALUATED "Date  : 2007-11-24" at 789,2462 h25; LIB_UNEVALUATED "Rev   : A4" at 789,2422 h25; LIB_UNEVALUATED "Remark: ***" at 789,2382 h25; LIB_UNEVALUATED "R0402" at 895,2225 h25; LIB_UNEVALUATED "Approved" at 930,2208 h35; ASSEMBLY_TOP "47K_1%_0402" at 895,2232 h20
R35: LIB_UNEVALUATED "1" at 830,2271.4 h16 r180; LIB_UNEVALUATED "2" at 790,2271.4 h16 r180; LIB_UNEVALUATED "Creat : Sofer Tech" at 916,2093 h25 r180; LIB_UNEVALUATED "Sofer Lib Information" at 946,2003 h25 r180; LIB_UNEVALUATED "Ref PN: ***" at 916,2053 h25 r180; LIB_UNEVALUATED "Date  : 2007-11-24" at 916,2133 h25 r180; LIB_UNEVALUATED "Rev   : A4" at 916,2173 h25 r180; LIB_UNEVALUATED "Remark: ***" at 916,2213 h25 r180; LIB_UNEVALUATED "R0402" at 810,2370 h25 r180; LIB_UNEVALUATED "Approved" at 775,2387 h35 r180; ASSEMBLY_TOP "47K_1%_0402" at 810,2363 h20 r180
R36: LIB_UNEVALUATED "1" at 1253.6,2270 h16 r270; LIB_UNEVALUATED "2" at 1253.6,2230 h16 r270; LIB_UNEVALUATED "Creat : Sofer Tech" at 1432,2356 h25 r270; LIB_UNEVALUATED "Sofer Lib Information" at 1522,2386 h25 r270; LIB_UNEVALUATED "Ref PN: ***" at 1472,2356 h25 r270; LIB_UNEVALUATED "Date  : 2007-11-24" at 1392,2356 h25 r270; LIB_UNEVALUATED "Rev   : A4" at 1352,2356 h25 r270; LIB_UNEVALUATED "Remark: ***" at 1312,2356 h25 r270; LIB_UNEVALUATED "R0402" at 1155,2250 h25 r270; LIB_UNEVALUATED "Approved" at 1138,2215 h35 r270; ASSEMBLY_TOP "47K_1%_0402" at 1162,2250 h20 r270
R37: LIB_UNEVALUATED "1" at 1353.6,2270 h16 r270; LIB_UNEVALUATED "2" at 1353.6,2230 h16 r270; LIB_UNEVALUATED "Creat : Sofer Tech" at 1532,2356 h25 r270; LIB_UNEVALUATED "Sofer Lib Information" at 1622,2386 h25 r270; LIB_UNEVALUATED "Ref PN: ***" at 1572,2356 h25 r270; LIB_UNEVALUATED "Date  : 2007-11-24" at 1492,2356 h25 r270; LIB_UNEVALUATED "Rev   : A4" at 1452,2356 h25 r270; LIB_UNEVALUATED "Remark: ***" at 1412,2356 h25 r270; LIB_UNEVALUATED "R0402" at 1255,2250 h25 r270; LIB_UNEVALUATED "Approved" at 1238,2215 h35 r270; ASSEMBLY_TOP "47K_1%_0402" at 1262,2250 h20 r270
R38: LIB_UNEVALUATED "1" at 2025.6,2233.33 h16 r180; LIB_UNEVALUATED "2" at 1971.6,2233.33 h16 r180; LIB_UNEVALUATED "R0603" at 1945,2285 h30 r180; LIB_UNEVALUATED "Approved" at 1893,2220 h35 r180; LIB_UNEVALUATED "Sofer Lib Information" at 2162,1948 h25 r180; LIB_UNEVALUATED "Ref PN: ***" at 2132,1998 h25 r180; LIB_UNEVALUATED "Creat : Sofer Tech" at 2132,2038 h25 r180; LIB_UNEVALUATED "Date  : 2007-05-10" at 2132,2078 h25 r180; LIB_UNEVALUATED "Rev   : B1" at 2132,2118 h25 r180; LIB_UNEVALUATED "Remark: ***" at 2132,2158 h25 r180
R39: LIB_UNEVALUATED "1" at 827,2207.4 h16 r180; LIB_UNEVALUATED "2" at 787,2207.4 h16 r180; LIB_UNEVALUATED "Creat : Sofer Tech" at 913,2029 h25 r180; LIB_UNEVALUATED "Sofer Lib Information" at 943,1939 h25 r180; LIB_UNEVALUATED "Ref PN: ***" at 913,1989 h25 r180; LIB_UNEVALUATED "Date  : 2007-11-24" at 913,2069 h25 r180; LIB_UNEVALUATED "Rev   : A4" at 913,2109 h25 r180; LIB_UNEVALUATED "Remark: ***" at 913,2149 h25 r180; LIB_UNEVALUATED "R0402" at 807,2306 h25 r180; LIB_UNEVALUATED "Approved" at 772,2323 h35 r180; ASSEMBLY_TOP "47K_1%_0402" at 807,2299 h20 r180